# KiCad board pcb.kicad_pcb (continued)
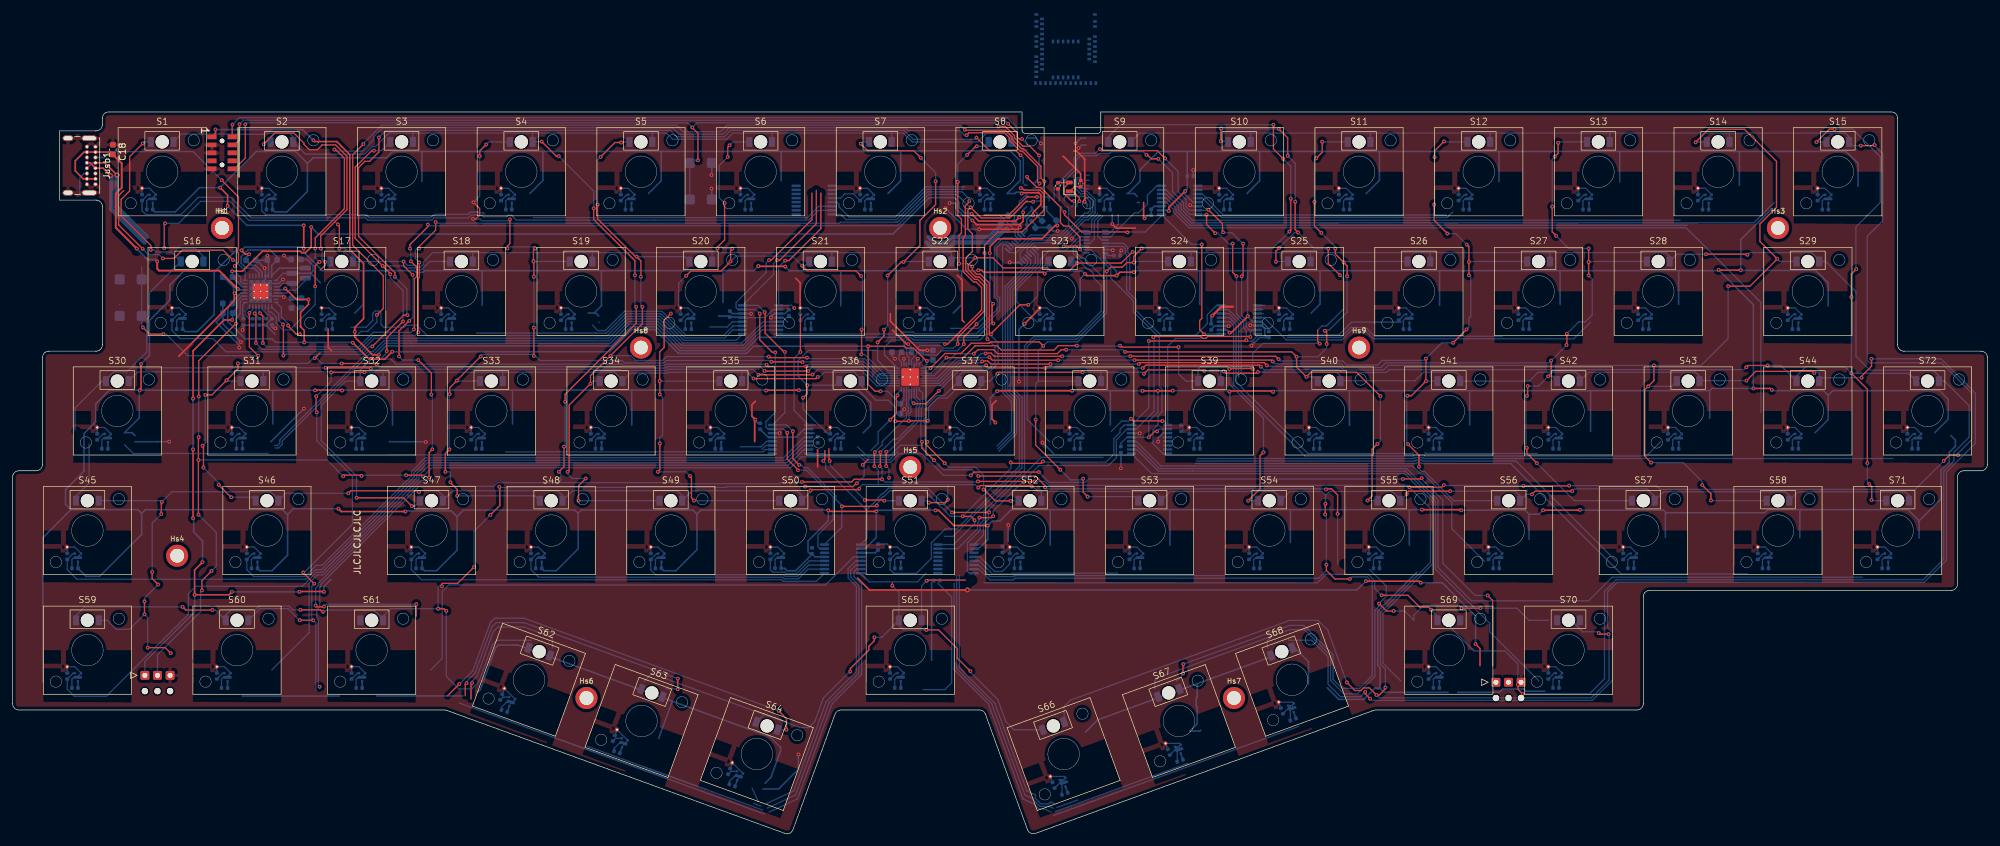
[diagram p0: board, top side]
## Routing (per net, layer and track width the routed paths; a pad name or vN(x,y) marks a point on that pad's centre or on a via; arc(x,y) is an arc through that point) (continued)
/VDD_nRF: length 211.4
  Top w0.25: JTAG1.1 32.21,111.22 v1(32.21,111.83) ; v1(155.13,92.2) 155.18,92.25 155.18,93.24 156.41,94.47 163.4,94.47 165.49,96.56 v1(165.86,96.56) ; v1(58.16,76.01) 57.16,76.01 54.32,78.85 v1(54.32,79.68) 54.32,80.39 55.72,81.79 55.72,90.54 53.53,92.73 53.53,107.84 52.23,109.15 52.23,109.17 51.48,109.91 47.95,109.91 v1(47.75,110.11) ; v1(155.66,84.13) 155.48,83.96 155.48,81.22 v1(155.7,81)
  Bottom w0.2: PMIC1.1 42.94,88.98 L1.1 ; R3.1 R4.1 40.2,80.78 C13.2 41.18,81.89 40.63,82.44 40.43,82.44 39.62,83.24 PMIC1.12
  Bottom w0.25: 48.84,87.49 47.35,88.98 ; 47.35,88.98 L1.1 ; 47.35,88.98 47.69,89.32 47.69,90.24 46.75,91.18 C25.1 ; v1(155.7,81) 155.31,81 153.12,78.81 143.2,78.81 142.78,79.23 141.56,79.23 141.14,78.81 118.4,78.81 116.3,76.7 105.9,76.7 102.11,80.5 98.13,80.5 95.08,77.45 63.4,77.45 63.05,77.44 59.27,77.44 58.16,76.33 v1(58.16,76.01) ; 41.66,79.31 R4.1 ; v1(165.86,96.56) 165.7,96.72 C3.1 164.15,98.91 164.15,99.56 163.35,99.56 ; v1(155.13,92.2) 155.18,92.14 155.18,84.61 v1(155.66,84.13) ; v1(32.21,111.83) 32.23,111.81 46.05,111.81 v1(47.75,110.11) ; 54.24,79.76 v1(54.32,79.68)
GND: length 705.5
  Top w0.25: 127.79,60.95 127.79,58.21 ; 117.93,68.68 117.37,68.12 117.37,66.27 v1(117.9,65.74) 117.8,65.64 117.8,62.23 ; 125.02,83.62 125.02,87.49 124.31,88.2 ; v1(179.7,97.71) 179.55,97.86 179.55,100.23 ; v1(156.02,65.27) 155.48,65.81 155.48,68.09 156.15,68.76 ; 159.9,96.73 v1(159.9,96.27) 159.6,95.97 v1(153.44,95.97) 153.41,96 ; 159.9,96.73 160.43,97.26 v1(160.43,98.65) ; 159.9,96.73 153.01,96.73 v1(152.37,97.37) ; v1(35.25,85.8) 35.18,85.74 35.18,84.62 26.36,75.8 ; C2.2 169.55,104.81 166.75,107.61 ; 165.86,95.65 v1(165.92,95.71) ; 178.23,96.16 175.22,96.16 v1(174.56,96.82) ; 149.96,88.69 150.75,87.9 150.75,81.53 151.05,81.23 ; 139.69,79.95 141.89,77.75 v1(142.17,77.75) ; 139.34,82.6 139.34,81.39 143.98,76.75 v1(145.19,76.75) ; 168.45,108.42 168.89,108.42 170.19,107.12 v1(170.19,100.33) ; 50.64,76.65 50.09,77.2 50.09,80.14 ; 162.88,83.19 v1(160.66,80.97)
  Top w0.35: 193.7,83.69 191.9,83.69 v1(190.46,82.25)
  Bottom w0.2: Cvcc54.2 197.04,43.5 197.35,43.81 TMR54.4 198,43.96 TMR54.2 197.47,45.49 Cvout54.2 ; Cvout60.2 33.59,26.49 TMR60.2 34.13,24.96 TMR60.4 33.48,24.81 33.16,24.5 Cvcc60.2 ; Cvcc52.2 159.04,43.5 159.35,43.81 TMR52.4 160,43.96 TMR52.2 159.47,45.49 Cvout52.2 ; Cvcc40.2 206.54,62.5 206.85,62.81 TMR40.4 207.5,62.96 TMR40.2 206.97,64.49 Cvout40.2 ; Cvcc50.2 121.04,43.5 121.35,43.81 TMR50.4 122,43.96 TMR50.2 121.47,45.49 Cvout50.2 ; Cvout32.2 54.97,64.49 TMR32.2 55.5,62.96 TMR32.4 54.85,62.81 54.54,62.5 Cvcc32.2 ; Cvcc65.2 140.04,24.5 140.35,24.81 TMR65.4 141,24.96 TMR65.2 140.47,26.49 Cvout65.2 ; Cvout12.2 230.72,102.49 TMR12.2 231.25,100.96 TMR12.4 230.6,100.81 230.29,100.5 Cvcc12.2 ; Cvout55.2 216.47,45.49 TMR55.2 217,43.96 TMR55.4 216.35,43.81 216.04,43.5 Cvcc55.2 ; Cvcc72.2 301.54,62.5 301.85,62.81 TMR72.4 302.5,62.96 TMR72.2 301.97,64.49 Cvout72.2 ; Cvcc41.2 225.54,62.5 225.85,62.81 TMR41.4 226.5,62.96 TMR41.2 225.97,64.49 Cvout41.2 ; Cvout46.2 38.34,45.49 TMR46.2 38.88,43.96 TMR46.4 38.23,43.81 37.91,43.5 37.91,42.11 ; Cvcc70.2 244.54,24.5 244.85,24.81 TMR70.4 245.5,24.96 TMR70.2 244.97,26.49 Cvout70.2 ; Cvout34.2 92.97,64.49 TMR34.2 93.5,62.96 TMR34.4 92.85,62.81 92.54,62.5 Cvcc34.2 ; LEDDR1.33 143.1,73.11 LEDDR1.30 LEDDR1.31 143.5,75.2 v1(143.72,75.42) ; Cvcc26.2 220.79,81.5 221.1,81.81 TMR26.4 221.75,81.96 TMR26.2 221.22,83.49 Cvout26.2 ; Cvout58.2 278.22,45.49 TMR58.2 278.75,43.96 TMR58.4 278.1,43.81 277.79,43.5 Cvcc58.2 ; Cvout47.2 64.47,45.49 TMR47.2 65,43.96 TMR47.4 64.35,43.81 64.04,43.5 Cvcc47.2 ; Cvout17.2 50.22,83.49 TMR17.2 50.75,81.96 TMR17.4 50.1,81.81 49.79,81.5 Cvcc17.2 ; Cvout22.2 145.22,83.49 TMR22.2 145.75,81.96 TMR22.4 145.1,81.81 144.79,81.5 Cvcc22.2 ; Cvcc23.2 163.79,81.5 164.1,81.81 TMR23.4 164.75,81.96 TMR23.2 164.22,83.49 Cvout23.2 ; Cvcc61.2 54.54,24.5 54.85,24.81 TMR61.4 55.5,24.96 TMR61.2 54.97,26.49 Cvout61.2 ; Cvcc31.2 35.54,62.5 35.85,62.81 TMR31.4 36.5,62.96 TMR31.2 35.97,64.49 Cvout31.2 ; TMR66.4 166.91,8.59 TMR66.2 166.94,9.05 Cvout66.2 ; Cvcc33.2 73.54,62.5 73.85,62.81 TMR33.4 74.5,62.96 TMR33.2 73.97,64.49 Cvout33.2 ; Cvcc45.2 9.41,43.5 9.72,43.81 TMR45.4 10.38,43.96 TMR45.2 9.84,45.49 Cvout45.2 ; Cvout2.2 40.72,102.49 TMR2.2 41.25,100.96 TMR2.4 40.6,100.81 40.29,100.5 Cvcc2.2 ; Cvout30.2 14.6,64.49 TMR30.2 15.13,62.96 TMR30.4 14.47,62.81 14.16,62.5 Cvcc30.2 ; LEDDR1.27 LEDDR1.26 v1(141.5,75.39) ; Cvout57.2 256.85,45.49 TMR57.2 257.38,43.96 TMR57.4 256.73,43.81 256.41,43.5 256.41,42.11 ; Cvout18.2 69.22,83.49 TMR18.2 69.75,81.96 TMR18.4 69.1,81.81 68.79,81.5 Cvcc18.2 ; Cvcc56.2 235.04,43.5 235.35,43.81 TMR56.4 236,43.96 TMR56.2 235.47,45.49 Cvout56.2 ; Cvout48.2 83.47,45.49 TMR48.2 84,43.96 TMR48.4 83.35,43.81 83.04,43.5 Cvcc48.2 ; Cvcc5.2 97.29,100.5 97.6,100.81 TMR5.4 98.25,100.96 TMR5.2 97.72,102.49 Cvout5.2 ; Cvout69.2 225.97,26.49 TMR69.2 226.5,24.96 TMR69.4 225.85,24.81 225.54,24.5 Cvcc69.2 ; Cvout14.2 268.72,102.49 TMR14.2 269.25,100.96 TMR14.4 268.6,100.81 268.29,100.5 Cvcc14.2 ; Cvcc6.2 116.29,100.5 116.6,100.81 TMR6.4 117.25,100.96 TMR6.2 116.72,102.49 Cvout6.2 ; Cvcc59.2 9.41,24.5 9.72,24.81 TMR59.4 10.38,24.96 TMR59.2 9.84,26.49 Cvout59.2 ; 166.26,8.06 166.59,8.39 Cvcc66.2 ; Cvout68.2 203.19,20.85 TMR68.2 203.16,20.39 TMR68.4 ; Cvcc39.2 187.54,62.5 187.85,62.81 TMR39.4 188.5,62.96 TMR39.2 187.97,64.49 Cvout39.2 ; Cvcc24.2 182.79,81.5 183.1,81.81 TMR24.4 183.75,81.96 TMR24.2 183.22,83.49 Cvout24.2 ; Cvout51.2 140.47,45.49 TMR51.2 141,43.96 TMR51.4 140.35,43.81 140.04,43.5 Cvcc51.2 ; Cvout20.2 107.22,83.49 TMR20.2 107.75,81.96 TMR20.4 107.1,81.81 106.79,81.5 Cvcc20.2 ; Cvcc42.2 244.54,62.5 244.85,62.81 TMR42.4 245.5,62.96 TMR42.2 244.97,64.49 Cvout42.2 ; Cvcc62.2 77.61,20.05 78.44,20.88 TMR62.4 79.09,20.63 TMR62.2 78.07,23.04 Cvout62.2 ; Cvcc13.2 249.29,100.5 249.6,100.81 TMR13.4 250.25,100.96 TMR13.2 249.72,102.49 Cvout13.2 ; Cvcc37.2 149.54,62.5 149.85,62.81 TMR37.4 150.5,62.96 TMR37.2 149.97,64.49 Cvout37.2 ; 184.56,13.31 184.89,13.64 Cvcc67.2 ; Cvcc19.2 87.79,81.5 88.1,81.81 TMR19.4 88.75,81.96 TMR19.2 88.22,83.49 Cvout19.2 ; Cvout38.2 168.97,64.49 TMR38.2 169.5,62.96 TMR38.4 168.85,62.81 168.54,62.5 Cvcc38.2 ; Cvcc1.2 21.29,100.5 21.6,100.81 TMR1.4 22.25,100.96 TMR1.2 21.72,102.49 Cvout1.2 ; Cvout63.2 95.94,16.49 TMR63.2 96.97,14.08 TMR63.4 96.32,14.33 95.49,13.5 Cvcc63.2 ; Cvout21.2 126.22,83.49 TMR21.2 126.75,81.96 TMR21.4 126.1,81.81 125.79,81.5 Cvcc21.2 ; Cvout7.2 135.72,102.49 TMR7.2 136.25,100.96 TMR7.4 135.6,100.81 135.29,100.5 Cvcc7.2 ; Cvout16.2 26.47,83.49 TMR16.2 27,81.96 TMR16.4 26.35,81.81 26.04,81.5 Cvcc16.2 ; Cvout27.2 240.22,83.49 TMR27.2 240.75,81.96 TMR27.4 240.1,81.81 239.79,81.5 Cvcc27.2 ; Cvcc64.2 113.79,8.25 114.62,9.08 TMR64.4 115.27,8.83 TMR64.2 114.24,11.24 Cvout64.2 ; Cvcc4.2 78.29,100.5 78.6,100.81 TMR4.4 79.25,100.96 TMR4.2 78.72,102.49 Cvout4.2 ; Cvout11.2 211.72,102.49 TMR11.2 212.25,100.96 TMR11.4 211.6,100.81 211.29,100.5 Cvcc11.2 ; Cvout49.2 102.47,45.49 TMR49.2 103,43.96 TMR49.4 102.35,43.81 102.04,43.5 Cvcc49.2 ; Cvcc36.2 130.54,62.5 130.85,62.81 ; 202.51,19.86 202.84,20.19 Cvcc68.2 ; Cvcc35.2 111.54,62.5 111.85,62.81 TMR35.4 112.5,62.96 TMR35.2 111.97,64.49 Cvout35.2 ; Cvout43.2 263.97,64.49 TMR43.2 264.5,62.96 TMR43.4 263.85,62.81 263.54,62.5 Cvcc43.2 ; Cvout71.2 297.22,45.49 TMR71.2 297.75,43.96 TMR71.4 297.1,43.81 296.79,43.5 Cvcc71.2 ; Cvout25.2 202.22,83.49 TMR25.2 202.75,81.96 TMR25.4 202.1,81.81 201.79,81.5 Cvcc25.2 ; Cvout44.2 282.97,64.49 TMR44.2 283.5,62.96 TMR44.4 282.85,62.81 282.54,62.5 Cvcc44.2 ; Cvout53.2 178.47,45.49 TMR53.2 179,43.96 TMR53.4 178.35,43.81 178.04,43.5 Cvcc53.2 ; TMR36.4 131.5,62.96 TMR36.2 130.97,64.49 Cvout36.2 ; Cvout9.2 173.72,102.49 TMR9.2 174.25,100.96 TMR9.4 173.6,100.81 173.29,100.5 Cvcc9.2 ; Cvcc29.2 282.54,81.5 282.85,81.81 TMR29.4 283.5,81.96 TMR29.2 282.97,83.49 Cvout29.2 ; TMR67.4 185.21,13.84 TMR67.2 185.24,14.3 Cvout67.2 ; Cvout10.2 192.72,102.49 TMR10.2 193.25,100.96 TMR10.4 192.6,100.81 192.29,100.5 Cvcc10.2 ; Cvout8.2 154.72,102.49 TMR8.2 155.25,100.96 TMR8.4 154.6,100.81 154.29,100.5 Cvcc8.2 ; Cvcc28.2 258.79,81.5 259.1,81.81 TMR28.4 259.75,81.96 TMR28.2 259.22,83.49 Cvout28.2 ; Cvout3.2 59.72,102.49 TMR3.2 60.25,100.96 TMR3.4 59.6,100.81 59.29,100.5 Cvcc3.2 ; Cvcc15.2 287.29,100.5 287.6,100.81 TMR15.4 288.25,100.96 TMR15.2 287.72,102.49 Cvout15.2
  Bottom w0.25: v1(41.72,80.25) 41.37,80.25 41.18,80.44 C13.1 ; 59.8,62.23 65.55,62.23 v1(65.59,62.19) ; 160.95,99.56 160.43,99.04 v1(160.43,98.65) ; C7.1 114.25,82.59 MUXB2.14 117.19,82.59 v1(117.22,82.56) ; v1(196.68,77.49) 197.98,78.79 C22.1 199.11,78.79 198.78,79.12 198.78,80.16 198.31,80.64 MUXB6.14 ; v1(40.46,91.81) 40.44,91.79 C26.2 ; C26.2 40.39,91.05 C27.2 38.76,91.05 v1(40.01,89.8) 40.12,89.69 PMIC1.30 ; C26.2 40.62,90.92 PMIC1.31 PMIC1.30 ; 178.55,100.23 178.86,100.23 ; 175.81,91.82 C20.1 175.81,92.43 v1(176,92.62) ; PMIC1.33 40.12,86.86 PMIC1.30 ; PMIC1.33 40.62,87.36 PMIC1.2 42.28,87.36 42.93,88.02 v1(42.93,88.02) ; PMIC1.33 40.12,85.36 PMIC1.6 42.9,85.36 v1(43.06,85.2) ; v1(178.94,63.59) 178.94,63.59 MUXB7.14 ; v1(110.94,104.6) 111,104.66 SW1.1 ; 198.2,80.74 v1(196.48,80.74) ; v1(168.13,94.47) 169.41,95.75 MUXA2.8 ; v1(160.66,80.97) 159.75,80.06 v1(159.75,71.79) ; C33.2 142.69,77.23 v1(142.17,77.75) ; v1(187.44,105.39) 187.43,105.38 C21.1 ; v1(174.56,96.82) 174.57,96.83 174.57,98.31 ; v1(121.76,63.6) 121.75,63.59 MUXB3.14 ; MUXA1.15 159.59,95.21 159.59,95.91 159.9,96.22 v1(159.9,96.27) ; C17.1 138.82,45.97 Cvout51.2 ; C35.2 145.2,76.74 v1(145.19,76.75) ; v1(148.74,100.13) 149.61,100.13 149.77,99.97 149.77,99.29 150.93,98.13 151.61,98.13 v1(152.37,97.37) ; v1(120.38,81.96) 120.38,82.09 120.88,82.59 MUXB2.3 122.62,82.59 C15.1 ; v1(163.25,109.61) 162.4,110.46 161.1,110.46 ; R6.1 38.09,80.73 R5.1 36.64,80.1 v1(36.53,79.99) ; v1(186.93,99.8) 187.09,99.64 MUXB5.14 ; v1(124.75,12.53) 124.75,10.21 121.61,7.07 119.11,7.07 ; 33.38,82.8 33.38,84.33 ; v1(169.22,108.88) 169.7,109.36 170.4,109.36 ; v1(141.55,67.4) 140.92,66.77 C36.2 ; C8.1 118.36,65.16 117.9,65.62 v1(117.9,65.74) ; C25.2 43.71,91.18 v1(43.09,91.8) ; 41,62.23 v1(46.25,67.48) ; v1(174.65,92.65) 174.55,92.75 MUXA2.15 ; C29.2 190.28,80.09 190.82,80.64 MUXB6.3 192.99,80.64 v1(193.04,80.58) ; C5.1 162.35,96.69 C1.2 162.4,96.26 C3.2 165.15,95.71 v1(165.92,95.71) ; v1(158.27,90.72) 158.31,90.68 159.87,90.68 MUXA1.8 ; SW1.1 111,102.42 v1(110.96,102.46) ; 182.32,99.7 MUXB5.3 181.24,99.64 C28.1 C28.2 180.18,98.19 v1(179.7,97.71) ; 165.26,60.34 v1(163.51,62.09) ; 158.04,46.34 v1(158.04,48.99) ; 170.4,110.46 169.6,110.46 v1(168.75,109.61) ; MUXB3.3 127.23,63.59 ; C34.1 139.59,75.89 v1(140.08,75.4) ; v1(175.93,58.02) 175.94,58.03 C23.1 ; C17.2 136.96,44.59 MUXB4.3 ; v1(170.19,100.33) 170.55,99.97 170.55,99.56 ; v1(153.44,95.97) 151.47,95.97 v1(148.11,99.33) ; v1(36.25,78.06) 33.39,80.92 C32.2 33.39,82.32 32.3,81.23 35.97,77.56 v1(35.97,77.17) ; v1(24.85,62.24) 22.95,62.24 22.94,62.23 19.43,62.23 ; 93.05,81.23 93.06,81.23 ; LEDDR1.33 143.13,73.14 ; 17,84.04 16.98,84.06 ; C19.2 33.48,88.4 35.05,86.83 35.05,86.79 35.1,86.74 35.1,85.95 v1(35.25,85.8) ; 45.83,83.47 C11.2 ; MUXB7.3 182.63,63.59 181.86,62.82 v1(181.86,62.23)
  Bottom w0.35: v1(190.46,82.25) 190.28,82.07 C29.1
VCCS: length 2232.2
  Top w0.2: v1(181.69,63.87) 181.31,63.87 v1(180.37,62.94)
  Top w0.25: v1(200.12,70.17) 199.98,70.3 193.25,70.3 v1(193.16,70.21) ; v1(178,89.16) 175.8,89.16 v1(175.25,88.61) 170.5,88.61 v1(170.23,88.88) ; v1(62.36,51.13) 52.17,51.13 v1(51.72,51.58) ; v1(153.31,89.47) 153.85,89.47 154.17,89.15 163.62,89.15 v1(163.85,88.92) ; v1(48.01,70.4) 48.04,70.43 52.24,70.43 v1(52.31,70.36) ; v1(276.35,70.69) 279.03,70.69 v1(279.26,70.46) ; v1(37.55,92.01) 36.97,92.01 v1(36.35,92.63) ; v1(118.38,90.13) 118.42,90.09 122.63,90.09 v1(122.67,90.05) ; v1(20.18,70.4) 20.39,70.61 v1(20.39,74.59) ; v1(146.51,51.32) 147.02,51.32 149.42,48.92 154.81,48.92 v1(154.82,48.91) ; v1(161.97,98.19) 161.97,98.61 163.25,99.89 163.25,101.43 162.9,101.79 160.3,101.79 v1(160.19,101.67) ; v1(156.3,70.26) 156.38,70.34 v1(168.2,70.34) ; v1(223.74,51.43) 229.89,51.43 v1(229.97,51.35) ; v1(124.83,70.41) 119.66,70.41 v1(119.61,70.36) ; v1(46.22,92.92) v1(46.22,96.6) ; v1(196.1,82.19) 196.1,82.18 193.48,79.56 v1(193.18,79.56) ; v1(179.36,70.31) v1(181.82,70.31) 184.13,70.31 v1(184.16,70.34) ; v1(186.15,102.05) 183.55,99.45 v1(183.55,98.88) ; v1(242.97,51.35) 248.79,51.35 v1(248.83,51.39) ; v1(129.48,51.34) 129.66,51.16 v1(137.11,51.16) ; v1(274.36,89.48) 270.86,89.48 v1(270.82,89.52) ; v1(34.13,99.67) 34.13,101.4 v1(32.94,102.59)
  Bottom w0.2: 184.56,13.31 185.21,13.31 ; MUXB2.2 120.74,83.24 119.44,81.94 MUXB2.13 ; MUXB7.2 182.06,64.24 v1(181.69,63.87) ; v1(181.82,70.31) 181.82,66.94 180.37,65.49 v1(180.37,62.94) MUXB7.13 176.9,62.94 175.94,61.98 C23.2 ; 188.08,59.56 222.51,59.56 222.67,59.72 223.87,59.72 224.03,59.56 298.53,59.56 ; 202.51,19.86 203.16,19.86 ; 187.75,58.76 222.84,58.76 223,58.92 223.54,58.92 223.7,58.76 237.83,58.76 255.37,41.22 275.44,41.22 ; 166.26,8.06 166.91,8.06 ; 130.85,62.81 131.5,62.81
  Bottom w0.25: Cvcc69.1 TMR69.3 ; 186.5,108.34 181.89,108.34 178.98,105.42 178.98,103.59 177.05,101.66 ; 186.5,108.34 186.47,108.31 C21.2 186.47,102.37 v1(186.15,102.05) 186.15,101.51 187.38,100.29 MUXB5.13 ; 186.5,108.34 197.96,108.34 ; TMR1.3 Cvcc1.1 22.63,98.73 25.82,98.73 29.68,102.59 v1(32.94,102.59) 38.69,108.34 44.92,108.34 46.82,106.44 ; C8.2 119.94,62.94 MUXB3.13 124.37,62.94 125.67,64.24 MUXB3.2 ; 74.54,89.4 93.48,89.4 ; 74.54,89.4 65.36,89.4 65.07,89.12 64.08,89.12 63.78,89.42 63.22,89.42 63.21,89.4 60.35,89.4 60.23,89.52 59.67,89.52 59.56,89.4 55.84,89.4 ; 74.54,89.4 74.54,83.88 ; 93.48,89.4 93.48,83.82 92.32,82.66 ; 93.48,89.4 112.78,89.4 ; 117.23,70.42 117.21,70.43 ; 117.21,70.43 98.29,70.43 ; 117.21,70.43 119.54,70.43 v1(119.61,70.36) ; 288.23,69.6 287.49,70.34 279.38,70.34 v1(279.26,70.46) ; 288.23,69.6 288.96,70.34 305.89,70.34 307.28,68.95 307.28,65.8 305.14,63.66 ; 288.23,69.6 288.23,65.75 286.14,63.66 ; 41.31,65.04 41.31,70.4 ; 41.31,70.4 v1(48.01,70.4) ; 41.31,70.4 v1(20.18,70.4) ; 126.72,51.37 129.45,51.37 v1(129.48,51.34) 129.48,49.67 126.27,46.46 126.27,44.75 126.6,44.42 C9.2 ; 126.72,51.37 126.73,51.36 ; 126.72,51.37 109.27,51.37 108.64,50.74 ; 119.44,7.97 120.37,8.9 120.38,8.9 121.93,13.17 121.93,13.65 120.24,15.35 83.31,28.79 ; TMR2.3 Cvcc2.1 41.63,98.73 43.55,98.73 46.8,101.98 46.8,106.42 46.82,106.44 ; Cvcc13.1 TMR13.3 ; TMR48.3 Cvcc48.1 84.38,41.73 86.3,41.73 89.78,45.21 89.78,50.85 ; 43.57,50.71 43.71,50.71 44.58,51.58 v1(51.72,51.58) 51.56,51.43 ; 43.57,50.71 43.66,50.61 43.66,44.22 41.18,41.73 39.25,41.73 Cvcc46.1 TMR46.3 ; 43.57,50.71 42.84,51.43 21.08,51.43 20.49,50.84 20.49,50.83 ; v1(156.3,70.26) 155.23,69.19 155.23,64.98 ; v1(163.85,88.92) 164.27,89.34 169.77,89.34 v1(170.23,88.88) 169.48,88.13 169.48,83.82 ; 269.41,65.93 269.41,70.34 ; 269.41,70.34 269.76,70.69 v1(276.35,70.69) 276.35,83.99 v1(270.82,89.52) 270.7,89.4 264.48,89.4 ; 269.41,70.34 250.5,70.34 ; Cvcc54.1 TMR54.3 ; Cvcc21.1 TMR21.3 ; 54.32,82.66 55.67,84.01 55.67,89.23 55.84,89.4 ; Cvcc15.1 TMR15.3 ; 274.13,108.34 291.09,108.34 292.98,106.45 292.98,102.82 ; 274.13,108.34 274.13,102.97 ; 274.13,108.34 255.13,108.34 ; 131.47,89.39 123.33,89.39 v1(122.67,90.05) ; 131.47,89.39 131.48,89.38 131.48,83.82 ; 131.47,89.39 150.66,89.39 ; 240.73,50.7 240.08,51.35 v1(229.97,51.35) ; 240.73,50.7 242.32,50.7 v1(242.97,51.35) ; 240.73,50.7 240.73,46.75 ; 100.95,101.66 102.98,103.69 102.98,108.28 102.92,108.34 ; 216.99,108.34 216.99,103.76 214.89,101.66 ; 216.99,108.34 235.91,108.34 ; 216.99,108.34 197.96,108.34 ; Cvcc9.1 TMR9.3 ; Cvcc72.1 TMR72.3 ; Cvcc37.1 TMR37.3 ; 140.98,108.31 140.98,103.67 138.97,101.66 ; 140.98,108.31 141.1,108.43 158.36,108.43 159.98,106.81 159.98,103.75 157.89,101.66 159.13,101.66 159.34,101.87 159.99,101.87 v1(160.19,101.67) ; 140.98,108.31 140.95,108.34 122.01,108.34 ; Cvcc6.1 TMR6.3 ; 231.31,70.34 250.5,70.34 ; 231.31,70.34 212.19,70.34 ; 231.31,70.34 231.31,64.9 ; 250.5,70.34 250.5,63.89 ; Cvcc57.1 TMR57.3 ; 288.23,83.82 288.23,87.45 286.24,89.43 274.41,89.43 v1(274.36,89.48) 274.36,94.34 279.22,99.2 ; 149.32,82.66 150.66,84 150.66,89.39 ; 196.07,89.4 188.41,89.4 ; 196.07,89.4 207.56,89.4 ; 196.07,89.4 196.06,89.39 196.06,82.23 v1(196.1,82.19) 196.1,82.06 196.88,81.29 MUXB6.13 198.31,81.29 199.42,80.17 C22.2 ; 188.41,89.4 177.78,89.4 177.78,89.39 v1(178,89.16) ; 188.41,89.4 188.48,89.33 188.48,84.04 ; 64.97,108.34 84.19,108.34 ; 64.97,108.34 60.32,108.34 59.32,107.34 47.72,107.34 46.82,106.44 ; 64.97,108.34 64.98,108.33 64.98,103.61 ; 84.19,108.34 102.92,108.34 ; 84.19,108.34 84.19,103.74 82.11,101.66 ; 174.26,64.85 174.26,70.34 ; 174.26,70.34 179.33,70.34 v1(179.36,70.31) ; 174.26,70.34 v1(168.2,70.34) ; Cvcc25.1 TMR25.3 ; Cvcc22.1 TMR22.3 ; 32.01,89.17 32.01,82.44 29.3,79.73 27.38,79.73 Cvcc16.1 TMR16.3 ; 32.01,89.17 35.47,92.63 v1(36.35,92.63) 36.87,93.15 45.99,93.15 v1(46.22,92.92) 46.22,92.35 49.17,89.4 55.84,89.4 ; 32.01,89.17 31.84,89.34 27.16,89.34 24.98,87.15 24.98,84.75 21.72,81.49 21.72,75.92 v1(20.39,74.59) ; 73.72,22.55 73.96,22.55 74.27,22.85 76.67,29.47 77.13,29.92 80.19,29.92 83.34,28.78 ; Cvcc39.1 TMR39.3 ; 178.55,101.19 178.08,101.66 176.89,101.66 ; Cvcc12.1 TMR12.3 ; 112.78,89.4 117.65,89.4 v1(118.38,90.13) ; 112.78,89.4 112.78,84.35 ; TMR50.3 Cvcc50.1 122.57,42.11 122.97,41.71 124.28,41.71 126.91,44.34 C9.2 ; Cvcc66.1 TMR66.3 ; 207.56,89.4 207.56,84.08 206.14,82.66 ; 207.56,89.4 226.54,89.4 ; Cvcc30.1 TMR30.3 ; 187.99,23.77 188.05,23.71 188.05,21.63 187.89,21.48 187.89,20.21 188.05,20.06 188.05,17.41 186.9,16.26 ; 187.99,23.77 172.26,18.04 170.31,16.09 ; 187.99,23.77 203.54,29.43 203.58,29.43 205.73,27.28 205.73,23.73 ; 227.89,22.41 217.74,22.41 217.08,23.07 ; 145.89,27.52 145.89,39.87 ; Cvcc28.1 TMR28.3 ; 102.92,108.34 122.01,108.34 ; 283.97,51.43 283.72,51.43 283.72,46.99 ; 283.97,51.43 300.89,51.43 302.66,49.66 ; 283.97,51.43 278.67,51.43 278.19,50.95 262.47,50.95 ; Cvcc71.1 TMR71.3 ; v1(146.51,51.32) 146.49,51.34 137.29,51.34 v1(137.11,51.16) 137.11,47 135.35,45.24 MUXB4.2 ; 70.56,50.33 69.65,51.24 62.47,51.24 v1(62.36,51.13) ; 70.56,50.33 71.6,51.37 89.26,51.37 89.78,50.85 ; 70.56,50.33 70.56,44.99 67.3,41.73 65.38,41.73 Cvcc47.1 TMR47.3 ; 164.66,51.43 158.54,51.43 156.75,49.64 155.55,49.64 v1(154.82,48.91) 154.82,46.71 153.35,45.24 MUXB8.2 ; 164.66,51.43 183.72,51.43 ; 164.66,51.43 164.73,51.36 164.73,45.82 ; Cvcc29.1 TMR29.3 ; 89.78,50.85 90.3,51.37 108.01,51.37 108.64,50.74 ; Cvcc26.1 TMR26.3 ; 212.23,64.82 212.23,70.3 212.19,70.34 ; 255.13,103.51 255.13,108.34 ; 255.13,108.34 235.91,108.34 ; 20.49,50.83 20.49,47.51 13.82,40.84 11.64,40.84 Cvcc45.1 TMR45.3 ; 20.49,50.83 19.89,51.43 9.26,51.43 ; 302.66,49.66 302.66,46.93 ; 302.66,49.66 306.14,53.15 306.14,57.71 307.44,59 307.44,60.54 308.43,61.53 308.43,62.49 307.73,63.19 ; 135.05,63.66 136.23,64.84 136.23,68.45 134.26,70.41 v1(124.83,70.41) ; v1(248.83,51.39) 248.87,51.35 262.07,51.35 262.47,50.95 ; v1(153.31,89.47) 153.23,89.39 150.66,89.39 ; 235.98,103.57 235.98,108.27 235.91,108.34 ; 186.9,16.26 188.49,16.26 188.62,16.38 ; 186.9,16.26 186.9,16.34 ; Cvcc38.1 TMR38.3 ; 183.72,51.43 202.85,51.43 ; 183.72,51.43 183.73,51.42 183.73,45.82 ; 202.85,51.43 221.72,51.43 ; 202.85,51.43 202.85,46.2 ; 60.31,70.43 79.36,70.43 ; 60.31,70.43 52.39,70.43 v1(52.31,70.36) ; 60.31,70.43 60.31,64.9 ; 79.36,70.43 79.36,65.03 ; 79.36,70.43 98.29,70.43 ; 208.7,23.13 210.54,21.29 214.5,21.29 216.28,23.07 217.08,23.07 ; 9.26,51.43 4.8,46.97 4.8,24.03 ; 9.26,51.43 8.4,52.29 8.4,54.62 11.33,57.54 11.33,63.5 13.18,65.35 13.18,68.23 15.35,70.4 v1(20.18,70.4) ; Cvcc43.1 TMR43.3 ; Cvcc68.1 TMR68.3 ; Cvcc53.1 TMR53.3 ; C9.2 127.39,43.94 MUXB4.13 ; Cvcc36.1 TMR36.3 ; 212.19,70.34 200.29,70.34 v1(200.12,70.17) ; 229.41,22.41 236.04,22.41 236.57,22.94 239.89,22.94 240.25,22.59 243.27,22.59 ; Cvcc10.1 TMR10.3 ; 197.96,108.34 197.98,108.32 197.98,103.68 195.96,101.66 ; Cvcc18.1 TMR18.3 ; 108.64,50.74 108.64,45.07 105.3,41.73 103.38,41.73 Cvcc49.1 TMR49.3 ; 193.25,65.77 193.25,70.12 v1(193.16,70.21) 193.16,70.3 193.12,70.34 v1(184.16,70.34) ; Cvcc59.1 TMR59.3 ; 245.67,84.01 245.67,89.4 ; 245.67,89.4 226.54,89.4 ; 245.67,89.4 264.48,89.4 ; MUXB6.2 192.75,79.99 v1(193.18,79.56) ; Cvcc33.1 TMR33.3 ; Cvcc4.1 TMR4.3 ; Cvcc24.1 TMR24.3 ; Cvcc65.1 TMR65.3 ; 221.72,51.43 221.73,51.42 221.73,45.82 ; 221.72,51.43 v1(223.74,51.43) ; v1(20.18,70.4) 20.11,70.33 20.11,66.01 17.76,63.66 18.95,63.66 19.43,63.19 ; 262.47,50.95 262.38,50.85 262.38,47.03 ; v1(183.55,98.88) 183.45,98.99 MUXB5.2 ; Cvcc5.1 TMR5.3 ; Cvcc60.1 TMR60.3 ; Cvcc8.1 TMR8.3 ; 93.05,82.19 92.58,82.66 91.39,82.66 ; 104.71,20.99 102.57,15.1 ; C7.2 115.8,82.02 MUXB2.13 ; C7.2 113.83,82.02 ; C7.2 113.69,82.19 112.05,82.19 ; Cvcc70.1 TMR70.3 ; 217.08,23.07 217.09,23.08 217.09,23.76 217.08,23.77 217.08,26.34 216.72,26.7 216.72,35.29 222.93,41.49 ; Cvcc41.1 TMR41.3 ; Cvcc51.1 TMR51.3 ; 264.48,84.05 264.48,89.4 ; Cvcc55.1 TMR55.3 ; 98.29,70.43 98.29,64.88 ; Cvcc35.1 TMR35.3 ; Cvcc31.1 TMR31.3 ; Cvcc61.1 TMR61.3 ; 122.01,103.67 122.01,108.34 ; Cvcc63.1 TMR63.3 ; 226.54,83.88 226.54,89.4 ; Cvcc3.1 TMR3.3 ; v1(46.22,96.6) 37.2,96.6 v1(34.13,99.67) ; Cvcc11.1 TMR11.3 ; Cvcc40.1 TMR40.3 ; Cvcc34.1 TMR34.3 ; Cvcc17.1 TMR17.3 ; Cvcc20.1 TMR20.3 ; Cvcc32.1 TMR32.3 ; MUXA1.16 161.01,95.78 C5.2 161,96.68 161,97.56 161.63,98.19 v1(161.97,98.19) ; v1(175.25,88.61) 175.25,89.31 173.47,91.09 MUXA2.16 173.91,91.81 C20.2 ; Cvcc56.1 TMR56.3 ; Cvcc42.1 TMR42.3 ; Cvcc7.1 TMR7.3 ; Cvcc23.1 TMR23.3 ; Cvcc64.1 TMR64.3 ; Cvcc52.1 TMR52.3 ; Cvcc27.1 TMR27.3 ; Cvcc19.1 TMR19.3 ; 36.47,21.82 51.87,21.82 ; Cvcc14.1 TMR14.3 ; v1(37.55,92.01) 37.07,91.53 C27.1 37.87,90.25 38.52,90.25 39.62,89.15 PMIC1.29 ; Cvcc44.1 TMR44.3 ; Cvcc62.1 TMR62.3 ; Cvcc58.1 TMR58.3 ; Cvcc67.1 TMR67.3
/AIN0: length 22
  Bottom w0.2: MUXA1.4 161.03,92.35 161.03,92.79 162.09,93.85 166.66,93.85 170.27,97.47 170.74,97.47 171.85,98.58 171.85,100.73 170.56,102.02 169.75,102.02 168.92,102.86 168.9,102.86 168.9,103.86 168.9,104.06 169,104.16 169.5,104.16
/AIN1: length 24.4
  Bottom w0.2: MUXA1.7 159.97,91.29 159.97,92.3 161.93,94.25 166.49,94.25 170.11,97.87 170.57,97.87 171.45,98.75 171.45,100.56 170.39,101.62 169.53,101.62 168.5,102.66 168.5,104.46 169,104.96 169.5,104.96
/AIN2: length 13.3
  Bottom w0.2: 167.35,99.56 167.65,99.26 167.65,96.54 166.16,95.05 161.59,95.05 159.87,93.33 159.35,93.33 MUXA1.12
/AIN3: length 22.6
  Bottom w0.2: 166.95,100.46 166.95,100.96 167.21,101.22 170.23,101.22 171.05,100.39 171.05,98.91 170.67,98.53 170.21,98.53 166.33,94.65 161.76,94.65 159.38,92.27 158.29,92.27 MUXA1.9
/AIN4: length 6.2
  Bottom w0.2: 170.72,102.42 169.92,102.42 169.5,102.84 169.5,103.36 ; 172.25,98.41 171.3,97.46 171.3,95.52 171.03,95.25 MUXA2.7 170.43,95.21
/AIN5: length 0.5
  Bottom w0.2: 170.9,104.56 170.4,104.56
/AIN6: length 6.2
  Bottom w0.2: MUXA2.4 171.03,93.75 171.74,94.46 171.74,97.33 172.65,98.25 ; 170.9,102.96 170.4,102.96
/AIN7: length 5.5
  Bottom w0.2: MUXA2.12 172.91,94.25 172.29,94.87 172.29,97.32 173.05,98.08 ; 170.9,103.76 170.4,103.76
/ANA_01: length 117.2
  Bottom w0.2: TMR1.1 21.48,101.46 Cvout1.1 20.55,98.91 21.15,98.31 26.72,98.31 29.47,101.06 34.61,101.06 37.88,97.79 56.06,97.79 56.42,97.43 66.53,97.43 66.88,97.78 72.32,97.78 72.78,98.25 73.79,98.25 73.85,98.18 74.55,98.18 74.78,97.96 78.45,97.96 78.67,98.18 79.21,98.18 79.97,97.43 101.89,97.43 101.89,97.43 126.35,97.43 127.91,98.99 MUXB1.7
/ANA_02: length 87.7
  Bottom w0.2: MUXB1.6 127.99,99.64 126.19,97.83 102.06,97.83 102.06,97.83 82.69,97.83 ; 74.94,98.36 74.72,98.58 74.02,98.58 73.91,98.69 72.66,98.69 72.32,98.36 67.12,98.36 66.94,98.18 66.72,98.18 66.36,97.83 56.59,97.83 56.11,98.31 40.16,98.31 39.55,98.91 Cvout2.1 40.48,101.46 TMR2.1
/ANA_03: length 1.6
  Bottom w0.2: Cvout3.1 59.48,101.46 TMR3.1
/ANA_04: length 1.6
  Bottom w0.2: TMR4.1 78.48,101.46 Cvout4.1
/ANA_05: length 1.6
  Bottom w0.2: Cvout5.1 97.48,101.46 TMR5.1
/ANA_06: length 1.6
  Bottom w0.2: Cvout6.1 116.48,101.46 TMR6.1
/ANA_07: length 6.8
  Bottom w0.2: MUXB1.4 131.45,100.94 132.13,101.61 133.47,101.61 Cvout7.1 135.48,101.46 TMR7.1
/ANA_08: length 25.8
  Bottom w0.2: TMR8.1 154.48,101.46 Cvout8.1 ; MUXB1.5 130.85,100.29 131.18,99.96 131.18,99.56 132.82,97.92 140.15,97.92 144.95,102.72 151.15,102.72
/ANA_09: length 5.8
  Bottom w0.2: 175.53,98.31 175.53,96.75 174.03,95.25 MUXA2.10 ; TMR9.1 173.48,101.46 Cvout9.1
/ANA_10: length 2.3
  Bottom w0.2: TMR10.1 192.48,101.46 Cvout10.1 ; 188.85,102.89 MUXB5.9
/ANA_11: length 2.3
  Bottom w0.2: MUXB5.10 188.85,102.24 ; TMR11.1 211.48,101.46 Cvout11.1
/ANA_12: length 42.4
  Bottom w0.2: Cvout12.1 230.48,101.46 TMR12.1 ; MUXB5.11 188.85,101.59 192.18,98.25 227.57,98.25
/ANA_13: length 43.7
  Bottom w0.2: MUXB5.12 188.85,100.94 191.93,97.85 227.74,97.85 228.62,98.73 ; TMR13.1 249.48,101.46 Cvout13.1
/ANA_14: length 86.3
  Bottom w0.2: 264.73,97.41 187.27,97.41 185.48,99.2 185.48,99.88 183.12,102.24 MUXB5.7 ; TMR14.1 268.48,101.46 Cvout14.1
/ANA_15: length 102.4